# Altium PCB nova34.PcbDoc (part 1 of 4) (continued)
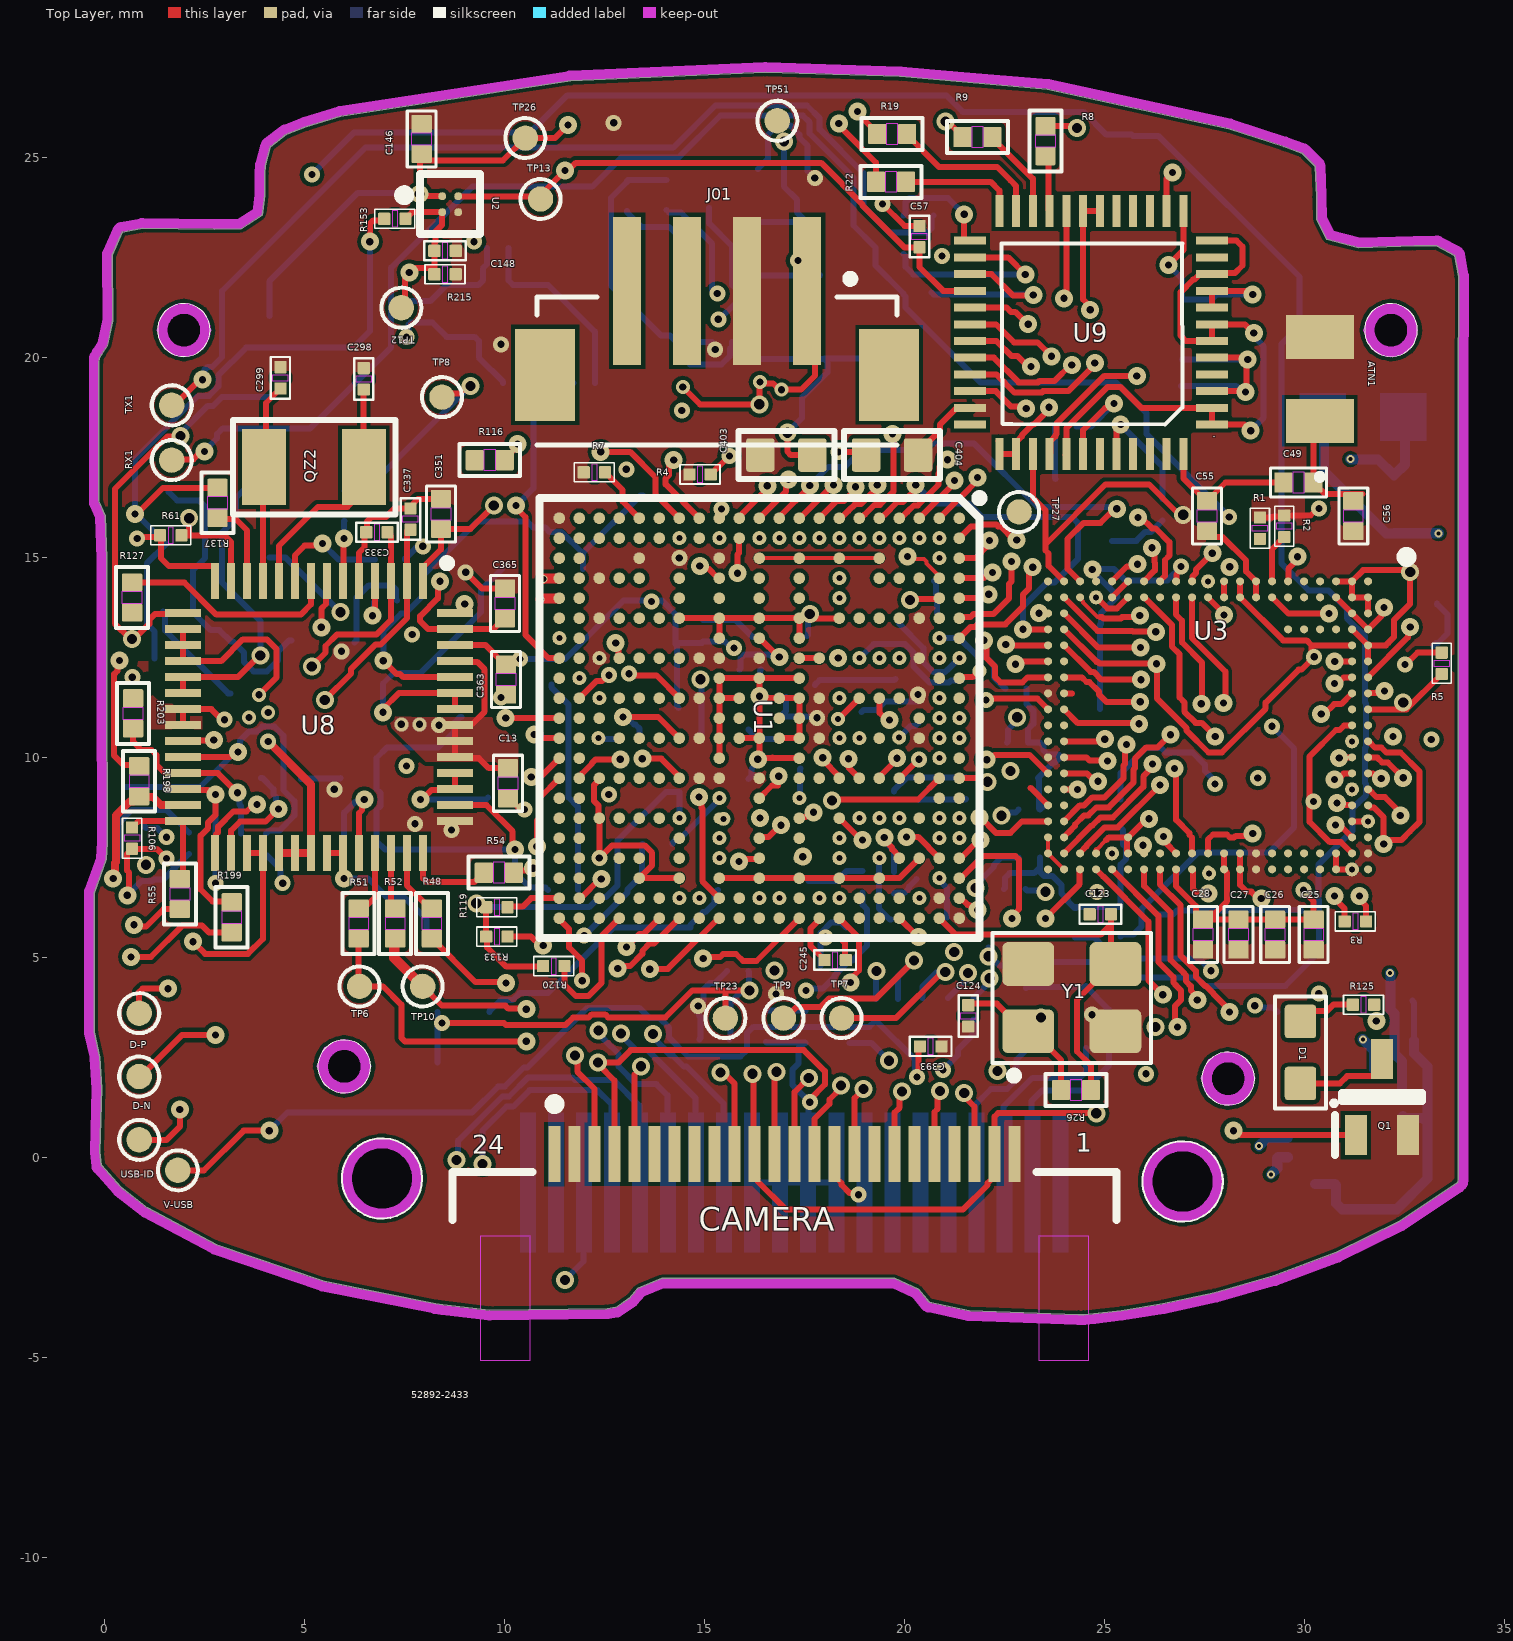
[diagram p0: Top Layer view]
## Components (designator, comment, footprint, x,y, rotation, side; value= is the part's Value field where it differs from the comment) (continued)
LCD "ST0103A2W" DPAK70P1823X500-20N 2.808,-38.337 r0 bottom
LD1 "LED GREEN" LED_0603 25.177,16.18 r90 bottom
LD2 "LED GREEN" LED_0603 23.768,16.18 r270 bottom
Q1 "NX3008NBKW,115" SOT65P210X110-3N 31.928,1.499 r90 top
QZ2 "32.768KHZ" "XTAL_ABS07-32.768KHZ-T - duplicate" 5.232,17.247 r0 top
R1 "240 OHM" 0201_RES 28.88,15.723 r270 top
R2 "240 OHM" 0201_RES 29.489,15.773 r270 top
R3 "10K" 0201_RES 31.267,5.893 r0 top
R4 "10K" 0201_RES 14.884,17.069 r0 top
R5 "10K" 0201_RES 33.426,12.344 r270 top
R6 "0" 0402_CC_RES#1 13.792,7.061 r0 bottom
R7 "240 OHM" 0201_RES 12.243,17.12 r0 top
R8 "0" 0402_CC_RES#1 23.52,25.4 r90 top
R9 "0" 0402_CC_RES#1 21.819,25.502 r180 top
R10 "4.7K" 0201_RES 22.784,11.709 r180 bottom
R11 "4.7K" 0201_RES 22.751,6.709 r0 bottom
R12 "4.7K" 0201_RES 23.114,7.493 r180 bottom
R13 "4.7K" 0201_RES 23.114,8.687 r180 bottom
R14 "4.7K" 0201_RES 21.436,11.677 r90 bottom
R15 "4.7K" 0201_RES 23.063,9.474 r180 bottom
R16 "4.7K" 0201_RES 22.822,10.363 r180 bottom
R17 "4.7K" 0201_RES 19.593,13.284 r0 bottom
R18 "10K" 0201_RES 18.948,6.883 r90 bottom
R19 "0" 0402_CC_RES#1 19.685,25.578 r180 top
R20 "100K" 0201_RES 19.837,3.683 r90 bottom
R21 "100K" 0201_RES 20.447,3.708 r90 bottom
R22 "0" 0402_CC_RES#1 19.66,24.384 r180 top
R23 "10K" 0201_RES 19.736,6.858 r270 bottom
R24 "1k" 0201_RES 26.441,16.18 r270 bottom
R25 "1k" 0201_RES 24.028,18.263 r180 bottom
R26 "510K" 0402_CC_RES#1 24.282,1.676 r180 top
R27 "50 OHM" 0402_CC_RES#1 19.66,5.563 r270 bottom
R28 "0" 0402_CC_RES#1 20.345,23.546 r0 bottom
R29 "200" 0201_RES 18.618,2.591 r270 bottom
R30 "0" 0402_CC_RES#1 20.345,22.581 r0 bottom
R31 "0" 0402_CC_RES#1 20.345,21.565 r180 bottom
R32 "RC0402FR-0710KL" RESC1005X40X25LL05T10 14.046,24.054 r90 bottom
R33 "RC0402FR-0710KL" RESC1005X40X25LL05T10 15.113,24.105 r90 bottom
R34 "RC0402FR-0710KL" RESC1005X40X25LL05T10 18.263,22.047 r0 bottom
R35 "RC0402FR-0710KL" RESC1005X40X25LL05T10 13.056,24.028 r90 bottom
R47 "10K" 0402_CC_RES#1 24.257,5.867 r90 bottom
R48 "0" 0402_CC_RES#1 8.179,5.842 r90 top
R51 "0" 0402_CC_RES#1 6.35,5.842 r90 top
R52 "0" 0402_CC_RES#1 7.264,5.842 r90 top
R54 "0" 0402_CC_RES#2 9.855,7.112 r180 top
R55 "0" 0402_CC_RES#1 1.88,6.579 r90 top
R61 "100K" 0201_RES 1.651,15.545 r180 top
R77 "10K" 0402_CC_RES#1 29.693,3.632 r0 bottom
R78 "10K" 0402_CC_RES#1 25.4,5.893 r90 bottom
R79 "10K" 0402_CC_RES#1 25.4,8.56 r270 bottom
R100 "0" 0402_CC_RES#1 22.098,5.613 r90 bottom
R102 "100K" 0201_RES 21.717,3.708 r90 bottom
R103 "100K" 0201_RES 20.295,7.214 r270 bottom
R106 "100K" 0201_RES 0.685,7.975 r90 top
R108 "30K" 0201_RES 19.279,3.683 r270 bottom
R111 "0" 0402_CC_RES#1 5.994,16.281 r90 bottom
R113 "0" 0402_CC_RES#1 21.057,5.613 r90 bottom
R114 "0" 0402_CC_RES#1 7.137,14.935 r0 bottom
R116 "0" 0402_CC_RES#1 9.627,17.424 r180 top
R119 "10K" 0201_RES 9.804,6.248 r0 top
R120 "10K" 0201_RES 11.227,4.775 r0 top
R125 "1k" 0201_RES 31.471,3.81 r180 top
R127 "0" 0402_CC_RES#1 0.686,13.989 r90 top
R133 "4.7K" 0201_RES 9.804,5.512 r0 top
R137 "0" 0402_CC_RES#1 2.819,16.358 r270 top
R153 "10K" 0201_RES 7.255,23.457 r0 top
R191 "0" 0402_CC_RES#1 8.915,11.379 r90 bottom
R192 "0" 0402_CC_RES#1 11.455,6.68 r180 bottom
R193 "0" 0402_CC_RES#1 5.613,7.671 r0 bottom
R194 "0" 0402_CC_RES#1 5.613,8.585 r180 bottom
R195 "0" 0402_CC_RES#1 3.912,9.855 r90 bottom
R196 "4.7K" 0201_RES 2.108,7.849 r90 bottom
R197 "4.7K" 0201_RES 2.769,7.823 r90 bottom
R198 "0" 0402_CC_RES#1 0.864,9.398 r270 top
R199 "0" 0402_CC_RES#1 3.175,5.994 r90 top
R200 "4.7K" 0201_RES 4.039,7.823 r90 bottom
R201 "4.7K" 0201_RES 3.404,7.823 r90 bottom
R202 "0" 0402_CC_RES#1 0.508,9.627 r270 bottom
R203 "0" 0402_CC_RES#1 0.711,11.094 r270 top
R215 "12K" 0201_RES 8.509,22.073 r0 top
R216 "0" 0402_CC_RES#1 13.818,7.823 r0 bottom
R217 "100K" 0201_RES 21.082,3.708 r90 bottom
R218 "1k" 0201_RES 9.83,22.733 r0 bottom
R219 "100K" 0201_RES 7.645,21.133 r90 bottom
R220 "0" 0402_CC_RES#1 10.338,19.355 r180 bottom
R224 "0" 0402_CC_RES#1 0.991,7.899 r90 bottom
RX1 "Test Pin1" "Test Pin" 1.676,17.424 r90 top
TP6 "TP_35MIL" "Test Pin" 6.372,4.267 r90 top
TP7 "TP_35MIL" "Test Pin" 18.422,3.474 r90 top
TP8 "TP_35MIL" "Test Pin" 8.433,18.999 r90 top
TP9 "TP_35MIL" "Test Pin" 16.971,3.474 r90 top
TP10 "TP_35MIL" "Test Pin" 7.95,4.267 r90 top
TP12 "tpad_020" "Test Pin" 7.417,21.234 r90 top
TP13 "tpad_020" "Test Pin" 10.897,23.952 r90 top
TP23 "TP_35MIL" "Test Pin" 15.519,3.474 r90 top
TP25 "TP_35MIL" "Test Pin" 32.69,3.912 r90 bottom
TP26 "TP_35MIL" "Test Pin" 10.516,25.476 r90 top
TP27 "TP_35MIL" "Test Pin" 22.86,16.129 r90 top
TP51 "TP_35MIL" "Test Pin" 16.815,25.908 r90 top
TP68 "TP_35MIL" "Test Pin" 2.692,10.338 r90 bottom
TX1 "Test Pin1" "Test Pin" 1.676,18.796 r90 top
U1 "MIMX8MN5CVPIZAA" BGA306C50P21X21_1100X1100X101 16.367,10.974 r270 top
U2 "ADP191ACBZ-R7" FP-CB-4-3-MFG 8.639,23.822 r0 top
U3 "LPDDR4 32EP16-M4FTC32-GA68" FBGA144C40P19X21_800X950X80 27.584,10.795 r270 top
U4 "BMI160" FP-BMI160-MFG 15.189,21.285 r180 bottom
U5 "MAX98357AETE+T" FP-T1633-4-MFG 31.011,0.749 r180 bottom
U8 "PCA9450BHN" QFN40P700X700X100-57N-D 5.359,10.998 r270 top
U9 "RTL8723DS-CG" RTL8723DS-CG 27.679,18.313 r180 top
U12 "NC7SP125P5X" FP-MAA05A-IPC_B 9.816,21.158 r180 bottom
USB-ID "Test Pin1" "Test Pin" 0.864,0.432 r90 top
V-USB "Test Pin1" "Test Pin" 1.829,-0.33 r90 top
Y1 "24MHz" OSCCC320X250X60 24.181,3.988 r90 top

## Footprints (in the part's own frame and the unit in brackets; to place one, negate y for a bottom-side part, rotate by r counter-clockwise, add the part's x,y. Pads: shape width x height; smd on the part's side, far side on the other; paste and mask are expansions set on the pad)
"0201_CC - C" [mil] "0201_CC\By AAR"
  rrect15% 12x12 smd mask+1.97: 1(-10.51,0) 2(10.51,0)
  Top Layer keep-out region: -2.64,7.87 -2.64,-7.87 2.64,-7.87 2.64,7.87 -2.64,7.87
  Top Layer keep-out region: -2.64,7.87 -2.64,-7.87 2.64,-7.87 2.64,7.87 -2.64,7.87
  silkscreen extent -20,-9 20,9, body extent -14,-6 14,6, height 12
0201_RES [mil] "0201_CC\By AAR"
  rrect15% 12x12 smd mask+1.97: 1(-10.51,0) 2(10.51,0)
  Top Layer keep-out region: -2.64,7.87 -2.64,-7.87 2.64,-7.87 2.64,7.87 -2.64,7.87
  Top Layer keep-out region: -2.64,7.87 -2.64,-7.87 2.64,-7.87 2.64,7.87 -2.64,7.87
  silkscreen extent -20,-9 20,9, body extent -17,-6 17,6, height 12
"0402_CC - C" [mil] "0402_CC\By AAR"
  rrect15% 18x20 smd mask+1.97: 1(-14.76,0) 2(14.76,0)
  Top Layer keep-out region: -5.75,10 -5.75,-10 5.75,-10 5.75,10 -5.75,10
  Top Layer keep-out region: -5.75,10 -5.75,-10 5.75,-10 5.75,10 -5.75,10
  silkscreen extent -28,-14 28,14, body extent -23,-10 23,10, height 20
0402_CC_RES#1 [mil] "0402_CC_INDUCTOR\By AAR"
  rrect15% 18x20 smd mask+3.15: 1(-14.76,0) 2(14.76,0)
  Top Layer keep-out region: -5.75,10 -5.75,-10 5.75,-10 5.75,10 -5.75,10
  Top Layer keep-out region: -5.75,10 -5.75,-10 5.75,-10 5.75,10 -5.75,10
  silkscreen extent -30,-16 30,16, body extent -20,-10 20,10, height 19
0402_CC_RES#2 [mil] "0402_CC_INDUCTOR\By AAR"
  rrect15% 18x20 smd mask+3.15: 1(-14.76,0)
  rrect15% 18x20 smd mask-0.79: 2(14.76,0)
  Top Layer keep-out region: -5.75,10 -5.75,-10 5.75,-10 5.75,10 -5.75,10
  Top Layer keep-out region: -5.75,10 -5.75,-10 5.75,-10 5.75,10 -5.75,10
  silkscreen extent -30,-16 30,16, body extent -20,-10 20,10, height 19
0603_CC [mil] "CAP_NP_0603_CC_DISCRETE_1MM_150\By AAR"
  rrect20% 28x33 smd mask+3.15: 1(-25.59,0) 2(25.59,0)
  silkscreen extent -47,-24 47,24, body extent -37,-16 37,16, height 32
BGA306C50P21X21_1100X1100X101 [mm]
  round 0.29 smd: A1(-5,5) A2(-4.5,5) A3(-4,5) A4(-3.5,5) A5(-3,5) A6(-2.5,5) A7(-2,5) A8(-1.5,5) A9(-1,5) A10(-0.5,5) A11(0,5) A12(0.5,5) A13(1,5) A14(1.5,5) A15(2,5) A16(2.5,5) A17(3,5) A18(3.5,5) A19(4,5) A20(4.5,5) A21(5,5) AA1(-5,-5) AA2(-4.5,-5) AA3(-4,-5) AA4(-3.5,-5) AA5(-3,-5) AA6(-2.5,-5) AA7(-2,-5) AA8(-1.5,-5) AA9(-1,-5) AA10(-0.5,-5) AA11(0,-5) AA12(0.5,-5) AA13(1,-5) AA14(1.5,-5) AA15(2,-5) AA16(2.5,-5) AA17(3,-5) AA18(3.5,-5) AA19(4,-5) AA20(4.5,-5) AA21(5,-5) B1(-5,4.5) B2(-4.5,4.5) B3(-4,4.5) B4(-3.5,4.5) B5(-3,4.5) B6(-2.5,4.5) B7(-2,4.5) B8(-1.5,4.5) B9(-1,4.5) B10(-0.5,4.5) B11(0,4.5) B12(0.5,4.5) B13(1,4.5) B14(1.5,4.5) B15(2,4.5) B16(2.5,4.5) B17(3,4.5) B18(3.5,4.5) B19(4,4.5) B20(4.5,4.5) B21(5,4.5) C1(-5,4) C2(-4.5,4) C4(-3.5,4) C6(-2.5,4) C8(-1.5,4) C10(-0.5,4) C11(0,4) C12(0.5,4) C14(1.5,4) C16(2.5,4) C18(3.5,4) C20(4.5,4) C21(5,4) D1(-5,3.5) D2(-4.5,3.5) D4(-3.5,3.5) D6(-2.5,3.5) D8(-1.5,3.5) D10(-0.5,3.5) D12(0.5,3.5) D14(1.5,3.5) D16(2.5,3.5) D18(3.5,3.5) D20(4.5,3.5) D21(5,3.5) E1(-5,3) E2(-4.5,3) E3(-4,3) E4(-3.5,3) E6(-2.5,3) E8(-1.5,3) E10(-0.5,3) E12(0.5,3) E14(1.5,3) E16(2.5,3) E18(3.5,3) E19(4,3) E20(4.5,3) E21(5,3) F1(-5,2.5) F2(-4.5,2.5) F6(-2.5,2.5) F8(-1.5,2.5) F10(-0.5,2.5) F12(0.5,2.5) F14(1.5,2.5) F16(2.5,2.5) F20(4.5,2.5) F21(5,2.5) G1(-5,2) G2(-4.5,2) G3(-4,2) G4(-3.5,2) G5(-3,2) G6(-2.5,2) G8(-1.5,2) G10(-0.5,2) G12(0.5,2) G14(1.5,2) G16(2.5,2) G17(3,2) G18(3.5,2) G19(4,2) G20(4.5,2) G21(5,2) H1(-5,1.5) H2(-4.5,1.5) H8(-1.5,1.5) H10(-0.5,1.5) H12(0.5,1.5) H14(1.5,1.5) H20(4.5,1.5) H21(5,1.5) J1(-5,1) J2(-4.5,1) J3(-4,1) J4(-3.5,1) J5(-3,1) J6(-2.5,1) J7(-2,1) J8(-1.5,1) J9(-1,1) J10(-0.5,1) J11(0,1) J12(0.5,1) J13(1,1) J14(1.5,1) J15(2,1) J16(2.5,1) J17(3,1) J18(3.5,1) J19(4,1) J20(4.5,1) J21(5,1) K1(-5,0.5) K2(-4.5,0.5) K10(-0.5,0.5) K11(0,0.5) K12(0.5,0.5) K20(4.5,0.5) K21(5,0.5) L1(-5,0) L2(-4.5,0) L3(-4,0) L4(-3.5,0) L5(-3,0) L6(-2.5,0) L7(-2,0) L8(-1.5,0) L9(-1,0) L10(-0.5,0) L12(0.5,0) L13(1,0) L14(1.5,0) L15(2,0) L16(2.5,0) L17(3,0) L18(3.5,0) L19(4,0) L20(4.5,0) L21(5,0) M1(-5,-0.5) M2(-4.5,-0.5) M10(-0.5,-0.5) M11(0,-0.5) M12(0.5,-0.5) M20(4.5,-0.5) M21(5,-0.5) N1(-5,-1) N2(-4.5,-1) N3(-4,-1) N4(-3.5,-1) N5(-3,-1) N6(-2.5,-1) N7(-2,-1) N8(-1.5,-1) N9(-1,-1) N10(-0.5,-1) N11(0,-1) N12(0.5,-1) N13(1,-1) N14(1.5,-1) N15(2,-1) N16(2.5,-1) N17(3,-1) N18(3.5,-1) N19(4,-1) N20(4.5,-1) N21(5,-1) P1(-5,-1.5) P2(-4.5,-1.5) P8(-1.5,-1.5) P10(-0.5,-1.5) P12(0.5,-1.5) P14(1.5,-1.5) P20(4.5,-1.5) P21(5,-1.5) R1(-5,-2) R2(-4.5,-2) R3(-4,-2) R4(-3.5,-2) R5(-3,-2) R6(-2.5,-2) R8(-1.5,-2) R10(-0.5,-2) R12(0.5,-2) R14(1.5,-2) R16(2.5,-2) R17(3,-2) R18(3.5,-2) R19(4,-2) R20(4.5,-2) R21(5,-2) T1(-5,-2.5) T2(-4.5,-2.5) T6(-2.5,-2.5) T8(-1.5,-2.5) T10(-0.5,-2.5) T12(0.5,-2.5) T14(1.5,-2.5) T16(2.5,-2.5) T20(4.5,-2.5) T21(5,-2.5) U1(-5,-3) U2(-4.5,-3) U3(-4,-3) U4(-3.5,-3) U6(-2.5,-3) U8(-1.5,-3) U10(-0.5,-3) U12(0.5,-3) U14(1.5,-3) U16(2.5,-3) U18(3.5,-3) U19(4,-3) U20(4.5,-3) U21(5,-3) V1(-5,-3.5) V2(-4.5,-3.5) V4(-3.5,-3.5) V6(-2.5,-3.5) V8(-1.5,-3.5) V10(-0.5,-3.5) V12(0.5,-3.5) V14(1.5,-3.5) V16(2.5,-3.5) V18(3.5,-3.5) V20(4.5,-3.5) V21(5,-3.5) W1(-5,-4) W2(-4.5,-4) W4(-3.5,-4) W6(-2.5,-4) W8(-1.5,-4) W10(-0.5,-4) W11(0,-4) W12(0.5,-4) W14(1.5,-4) W16(2.5,-4) W18(3.5,-4) W20(4.5,-4) W21(5,-4) Y1(-5,-4.5) Y2(-4.5,-4.5) Y3(-4,-4.5) Y4(-3.5,-4.5) Y5(-3,-4.5) Y6(-2.5,-4.5) Y7(-2,-4.5) Y8(-1.5,-4.5) Y9(-1,-4.5) Y10(-0.5,-4.5) Y11(0,-4.5) Y12(0.5,-4.5) Y13(1,-4.5) Y14(1.5,-4.5) Y15(2,-4.5) Y16(2.5,-4.5) Y17(3,-4.5) Y18(3.5,-4.5) Y19(4,-4.5) Y20(4.5,-4.5) Y21(5,-4.5)
  silkscreen extent -5.6,-5.5 5.5,5.6, body extent -5.5,-5.5 5.5,5.5, height 1.01
CAPC2014X150X70LL20 [mm] "Chip Capacitor, 2-Leads, Body 2.00x1.35mm, IPC High Density"
  rect 1.05x1.45 smd: 1(-0.725,0) 2(0.725,0)
  body extent -1.1,-0.77 1.1,0.77, height 1.5
DPAK70P1823X500-20N [mm] "D3-PAK, 20-Pads, Body 16.41x17.53mm (max), IPC Medium Density"
  rect 0.4x3.5 smd: 1(7.82,-29.625) 2(8.52,-29.625) 3(9.22,-29.625) 4(9.92,-29.625) 5(10.62,-29.625) 6(11.32,-29.625) 7(12.02,-29.625) 8(12.72,-29.625) 9(13.42,-29.625) 10(14.12,-29.625) 11(14.82,-29.625) 12(15.52,-29.625) 13(16.22,-29.625) 14(16.92,-29.625) 15(17.62,-29.625) 16(18.32,-29.625) 17(19.02,-29.625) 18(19.72,-29.625) 19(20.42,-29.625) 20(21.12,-29.625)
  silkscreen extent 7.07,-31.61 7.32,-31.37, body extent 0,-31.86 28.34,0, height 2.1
FBGA144C40P19X21_800X950X80 [mm] "BGA, 144-Leads, Body 8.00x9.50mmx0.80mm, Pitch 0.40mm"
  round 0.2 smd: A1(-3.6,4) A2(-3.2,4) A3(-2.8,4) A4(-2.4,4) A5(-2,4) A6(-1.6,4) A7(-1.2,4) A8(-0.8,4) A9(-0.4,4) A10(0,4) A11(0.4,4) A12(0.8,4) A13(1.2,4) A14(1.6,4) A15(2,4) A16(2.4,4) A17(2.8,4) A18(3.2,4) A19(3.6,4) AA1(-3.6,-4) AA2(-3.2,-4) AA3(-2.8,-4) AA4(-2.4,-4) AA5(-2,-4) AA6(-1.6,-4) AA7(-1.2,-4) AA8(-0.8,-4) AA9(-0.4,-4) AA10(0,-4) AA11(0.4,-4) AA12(0.8,-4) AA13(1.2,-4) AA14(1.6,-4) AA15(2,-4) AA16(2.4,-4) AA17(2.8,-4) AA18(3.2,-4) AA19(3.6,-4) B1(-3.6,3.6) B2(-3.2,3.6) B3(-2.8,3.6) B4(-2.4,3.6) B5(-2,3.6) B6(-1.6,3.6) B7(-1.2,3.6) B8(-0.8,3.6) B10(0,3.6) B11(0.4,3.6) B12(0.8,3.6) B13(1.2,3.6) B14(1.6,3.6) B15(2,3.6) B16(2.4,3.6) B17(2.8,3.6) B18(3.2,3.6) B19(3.6,3.6) C1(-3.6,3.2) C2(-3.2,3.2) C18(3.2,3.2) C19(3.6,3.2) D1(-3.6,2.8) D2(-3.2,2.8) D18(3.2,2.8) D19(3.6,2.8) E1(-3.6,2.4) E2(-3.2,2.4) E18(3.2,2.4) E19(3.6,2.4) F1(-3.6,2) F2(-3.2,2) F18(3.2,2) F19(3.6,2) G1(-3.6,1.6) G2(-3.2,1.6) G18(3.2,1.6) G19(3.6,1.6) H1(-3.6,1.2) H2(-3.2,1.2) H18(3.2,1.2) H19(3.6,1.2) J1(-3.6,0.8) J2(-3.2,0.8) J18(3.2,0.8) J19(3.6,0.8) K1(-3.6,0.4) K2(-3.2,0.4) K18(3.2,0.4) K19(3.6,0.4) L1(-3.6,0) L2(-3.2,0) L18(3.2,0) L19(3.6,0) M1(-3.6,-0.4) M2(-3.2,-0.4) M18(3.2,-0.4) M19(3.6,-0.4) N1(-3.6,-0.8) N2(-3.2,-0.8) N18(3.2,-0.8) N19(3.6,-0.8) P1(-3.6,-1.2) P2(-3.2,-1.2) P18(3.2,-1.2) P19(3.6,-1.2) R1(-3.6,-1.6) R2(-3.2,-1.6) R18(3.2,-1.6) R19(3.6,-1.6) T(-2.4,3.2) T(-2.4,2) T(-2.4,2.4) T(-2.4,2.8) T1(-3.6,-2) T2(-3.2,-2) T18(2.8,-2) T18(3.2,-2) T19(3.6,-2) U1(-3.6,-2.4) U2(-3.2,-2.4) U18(3.2,-2.4) U19(3.6,-2.4) V1(-3.6,-2.8) V2(-3.2,-2.8) V18(3.2,-2.8) V19(3.6,-2.8) W1(-3.6,-3.2) W2(-3.2,-3.2) W18(3.2,-3.2) W19(3.6,-3.2) Y1(-3.6,-3.6) Y2(-3.2,-3.6) Y3(-2.8,-3.6) Y4(-2.4,-3.6) Y5(-2,-3.6) Y6(-1.6,-3.6) Y7(-1.2,-3.6) Y8(-0.8,-3.6) Y9(-0.4,-3.6) Y10(0,-3.6) Y11(0.4,-3.6) Y12(0.8,-3.6) Y13(1.2,-3.6) Y14(1.6,-3.6) Y15(2,-3.6) Y16(2.4,-3.6) Y17(2.8,-3.6) Y18(3.2,-3.6) Y19(3.6,-3.6) ""(-0.4,3.6)
  silkscreen extent -4.33,4.84 -4.09,5.09, body extent -4,-4.75 4,4.75, height 0.8
FP-BMI160-MFG [mm]
  rect 0.475x0.25 smd paste+0 mask+0: 1(-1.163,0.75) 2(-1.163,0.25) 3(-1.163,-0.25) 4(-1.163,-0.75) 8(1.163,-0.75) 9(1.163,-0.25) 10(1.163,0.25) 11(1.163,0.75)
  rect 0.25x0.475 smd paste+0 mask+0: 5(-0.5,-0.913) 6(0,-0.913) 7(0.5,-0.913) 12(0.5,0.913) 13(0,0.913) 14(-0.5,0.913)
  silkscreen extent -2.1,-1.3 1.55,1.3, body extent -1.5,-1.25 1.5,1.25, height 0.88
FP-CB-4-3-MFG [mm]
  round 0.2 smd paste+0 mask-1000: A1(-0.2,0.2) A2(0.2,0.2) B1(-0.2,-0.2) B2(0.2,-0.2)
  silkscreen extent -1.27,-0.75 0.75,0.75, body extent -0.9,-0.9 0.9,0.9, height 0.25
FP-GRM15-MFG [mm]
  rect 0.4x0.5 smd paste+0 mask+0: 1(-0.4,0) 2(0.4,0)
  silkscreen extent -0.53,-0.62 0.53,0.62, body extent -0.3,-0.16 0.3,0.16, height 0.33
FP-MAA05A-IPC_B [mm]
  rect 1.258x0.376 smd paste+0 mask+0: 1(-0.827,0.65)
  rrect100% 1.258x0.376 smd paste+0 mask+0: 2(-0.827,0) 3(-0.827,-0.65) 4(0.827,-0.65) 5(0.827,0.65)
  silkscreen extent -2.38,-1.25 1.05,1.25, body extent -1.05,-1 1.05,1, height 1.1
FP-T1633-4-MFG [mm]
  rect 0.8x0.3 smd paste+0 mask+0: 1(-1.425,0.75) 2(-1.425,0.25) 3(-1.425,-0.25) 4(-1.425,-0.75) 9(1.425,-0.75) 10(1.425,-0.25) 11(1.425,0.25) 12(1.425,0.75)
  rect 1.23x1.23 smd paste+0 mask+0: 3(0,0)
  rect 0.3x0.8 smd paste+0 mask+0: 5(-0.75,-1.425) 6(-0.25,-1.425) 7(0.25,-1.425) 8(0.75,-1.425) 13(0.75,1.425) 14(0.25,1.425) 15(-0.25,1.425) 16(-0.75,1.425)
  silkscreen extent -2.53,-1.58 1.58,1.58, body extent -1.5,-1.5 1.5,1.5, height 0.8
ind_sph2520 [mil] "INDUCTOR_IND_SPH2520_DISCRETE_1\By AAR"
  rrect15% 48x79 smd mask+3.94: 1(-39.75,0) 2(39.75,0)
  silkscreen extent -72,-48 72,48, body extent -49,-39 50,39, height 53
IND_SPH2520 [mil] "INDUCTOR_IND_SPH2520_DISCRETE_1\By AAR"
  rrect15% 48x79 smd mask+3.94: 1(-39.75,0) 2(39.75,0)
  silkscreen extent -72,-48 72,48, body extent -49,-39 50,39, height 53
JST_B4B-ZR-SM4-TFT(LF)(SN) [mm]
  rect 0.7x3.7 smd: 1(-2.25,-2) 2(-0.75,-2) 3(0.75,-2) 4(2.25,-2)
  rect 1.5x2.3 smd: S1(4.3,0.1) S2(-4.3,0.1)
  silkscreen extent -4.5,-2.4 4.5,1.85, body extent -4.5,-3.35 4.5,1.85, height 5
LED_0603 [mil] "LED_0603\AAR"
  rrect20% 33x31 smd mask+1.97: A(-30.51,0) C(30.51,0)
  silkscreen extent -55,-25 55,35, body extent -32,-16 31,16, height 8
M310220 [mm]
  rect 1.1x1.7 smd: 1(-1.05,0) 2(1.05,0)
  silkscreen extent -2.5,-0.05 -2.4,0.05, body extent -1.53,-0.75 1.47,0.75, height 1.08
MOLX-52892-2433 [mm] "FPC Connector, 24-Leads, Right Angle, Pitch 0.5 mm, Mated Height 2.0 mm, SMT"
  rect 0.3x1.4 smd mask+0.051: 1(-5.75,1.575) 2(-5.25,1.575) 3(-4.75,1.575) 4(-4.25,1.575) 5(-3.75,1.575) 6(-3.25,1.575) 7(-2.75,1.575) 8(-2.25,1.575) 9(-1.75,1.575) 10(-1.25,1.575) 11(-0.75,1.575) 12(-0.25,1.575) 13(0.25,1.575) 14(0.75,1.575) 15(1.25,1.575) 16(1.75,1.575) 17(2.25,1.575) 18(2.75,1.575) 19(3.25,1.575) 20(3.75,1.575) 21(4.25,1.575) 22(4.75,1.575) 23(5.25,1.575) 24(5.75,1.575)
  Keep-Out Layer region: 6.351,-3.575 7.601,-3.575 7.601,-0.475 6.351,-0.475
  Keep-Out Layer region: -7.6,-3.575 -6.35,-3.575 -6.35,-0.475 -7.6,-0.475
  silkscreen extent -8.3,-0.07 8.3,2.95, body extent -8.7,-3.77 8.7,1.73, height 2.05
OSCCC320X250X60 [mm]
  rrect25% 1.09x1.29 smd: 1(-0.84,1.09) 2(-0.84,-1.09) 3(0.84,-1.09) 4(0.84,1.09)
  silkscreen extent -2.05,-1.98 1.62,1.98, body extent -1.25,-1.6 1.25,1.6, height 0.83
QFN40P700X700X100-57N-D [mm]
  rect 0.9x0.2 smd: 1(-3.4,2.6) 2(-3.4,2.2) 3(-3.4,1.8) 4(-3.4,1.4) 5(-3.4,1) 6(-3.4,0.6) 7(-3.4,0.2) 8(-3.4,-0.2) 9(-3.4,-0.6) 10(-3.4,-1) 11(-3.4,-1.4) 12(-3.4,-1.8) 13(-3.4,-2.2) 14(-3.4,-2.6) 29(3.4,-2.6) 30(3.4,-2.2) 31(3.4,-1.8) 32(3.4,-1.4) 33(3.4,-1) 34(3.4,-0.6) 35(3.4,-0.2) 36(3.4,0.2) 37(3.4,0.6) 38(3.4,1) 39(3.4,1.4) 40(3.4,1.8) 41(3.4,2.2) 42(3.4,2.6)
  rect 0.2x0.9 smd: 15(-2.6,-3.4) 16(-2.2,-3.4) 17(-1.8,-3.4) 18(-1.4,-3.4) 19(-1,-3.4) 20(-0.6,-3.4) 21(-0.2,-3.4) 22(0.2,-3.4) 23(0.6,-3.4) 24(1,-3.4) 25(1.4,-3.4) 26(1.8,-3.4) 27(2.2,-3.4) 28(2.6,-3.4) 43(2.6,3.4) 44(2.2,3.4) 45(1.8,3.4) 46(1.4,3.4) 47(1,3.4) 48(0.6,3.4) 49(0.2,3.4) 50(-0.2,3.4) 51(-0.6,3.4) 52(-1,3.4) 53(-1.4,3.4) 54(-1.8,3.4) 55(-2.2,3.4) 56(-2.6,3.4)
  silkscreen extent -3.95,3.1 -3.75,3.3, body extent -3.55,-3.55 3.55,3.55, height 1
RESC1005X40X25LL05T10 [mm] "Chip Resistor, 2-Leads, Body 1.00x0.50mm, IPC High Density"
  rect 0.5x0.45 smd: 1(-0.375,0) 2(0.375,0)
  body extent -0.53,-0.27 0.53,0.28, height 0.4
RTL8723DS-CG [mm]
  rect 0.8x0.2 smd: 1(0,0) 2(0,-0.418) 3(0,-0.836) 4(0,-1.254) 5(0,-1.672) 6(0,-2.09) 7(0,-2.508) 8(0,-2.926) 9(0,-3.344) 10(0,-3.762) 11(0,-4.179) 12(0,-4.597) 25(6.045,-4.597) 26(6.045,-4.179) 27(6.045,-3.762) 28(6.045,-3.344) 29(6.045,-2.926) 30(6.045,-2.508) 31(6.045,-2.09) 32(6.045,-1.672) 33(6.045,-1.254) 34(6.045,-0.836) 35(6.045,-0.418) 36(6.045,0)
  rect 0.2x0.8 smd: 13(0.711,-5.334) 14(1.129,-5.334) 15(1.547,-5.334) 16(1.965,-5.334) 17(2.383,-5.334) 18(2.801,-5.334) 19(3.219,-5.334) 20(3.637,-5.334) 21(4.055,-5.334) 22(4.473,-5.334) 23(4.891,-5.334) 24(5.309,-5.334) 37(5.309,0.737) 38(4.891,0.737) 39(4.473,0.737) 40(4.055,0.737) 41(3.637,0.737) 42(3.219,0.737) 43(2.801,0.737) 44(2.383,0.737) 45(1.965,0.737) 46(1.547,0.737) 47(1.129,0.737) 48(0.711,0.737)
  silkscreen extent 0.74,-4.52 5.25,0, body extent -0.66,-5.91 6.74,1.29, height 0.5
SOT65P210X110-3N [mm]
  rect 1x0.55 smd: 1(-0.95,0.65) 2(-0.95,-0.65) 3(0.95,0)
  silkscreen extent -1.45,-1 0.1,1.18
"Test Pin" [mm]
  round 0.635 smd: 1(0,0)